# Altium PCB uTCA_MCH_PCB3.pcbdoc (part 15 of 25) (continued)
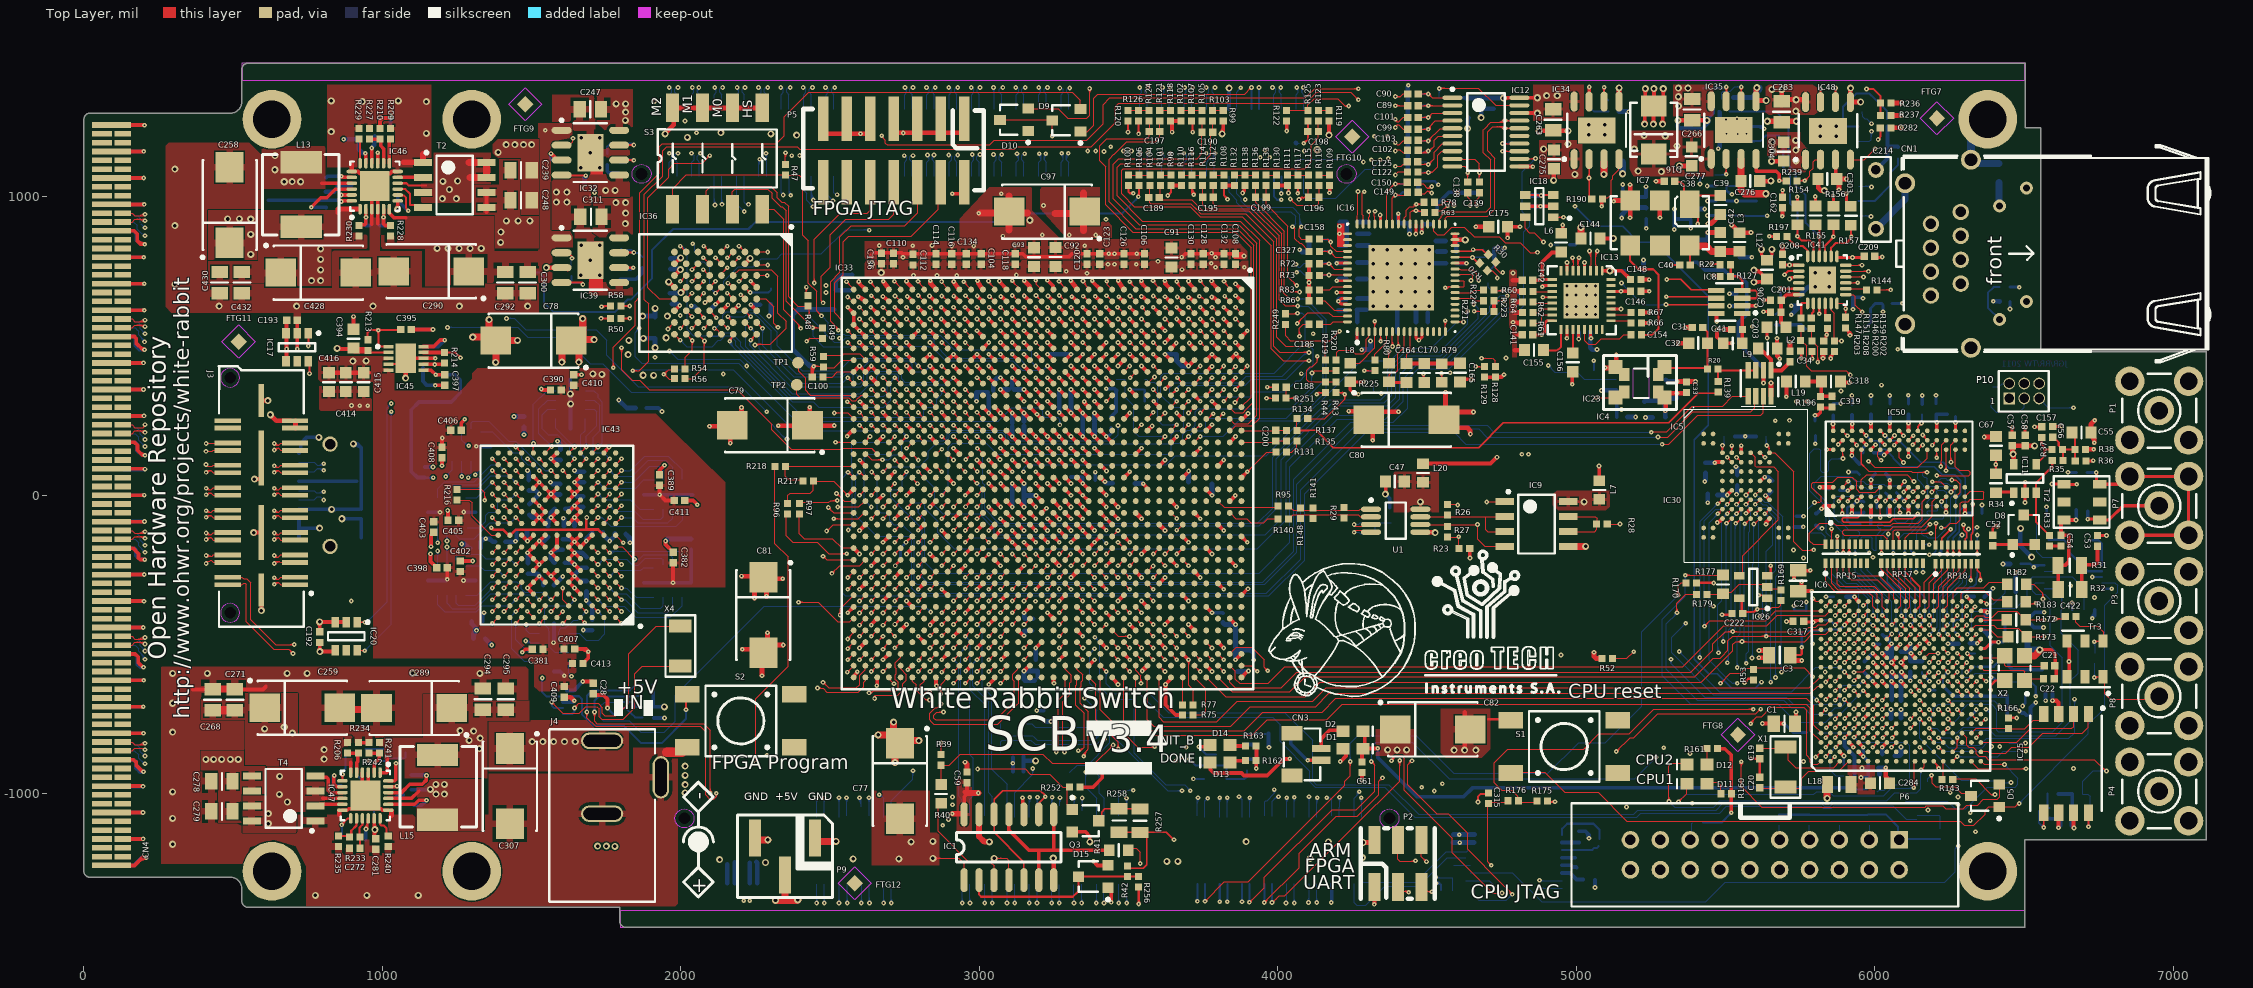
[diagram p0: Top Layer view]
## Nets (pads, with @x,y where several pads share a name; then routed paths per layer and width w, separated by ;. In a path a pad name is that pad's centre, name@x,y a point inside that pad or via, vN(x,y) a via of type N, cw(c..) or ccw(c..) an arc to the next point about the centre after c; other vN are vias at no path point) (continued)
  Bottom Layer w3.94: v1@6146.14,-753.64 cw(c6136.06,-763.72) 6150.31,-763.72 cw(c6164.57,-763.72) v1@6154.49,-753.64 ; v1(6150.31,-749.46) 6150.31,-814.43 6290.08,-954.19 R142.1@6315.67,-954.19
NetIC6_P1: IC6.P1 R143.1 | length 56.7
  Top Layer w3.94: R143.1@6229.06,-947.85 IC6.P1@6229.06,-891.2
NetIC6_R5: IC6.R5 IC31.11 | length 2597.1
  Top Layer w3.94: v1@6244.8,-755.37 cw(c6244.8,-769.63) 6254.88,-759.55 cw(c6264.97,-749.46) v1@6250.71,-749.46 ; v1(6244.8,-749.46) IC6.R5@6260.55,-765.21
  MidLayer1 w3.94: v1@6244.8,-755.37 cw(c6244.8,-774.38) 6258.25,-760.94 ; v1@6244.8,-751.43 cw(c6244.8,-760.94) 6251.52,-754.22 ; v1@6250.71,-753.4 6274.33,-777.02 6382.6,-777.02 6418,-812.43 v1(6418,-842) ; v1@6250.71,-749.46 ccw(c6260.21,-749.46) 6253.49,-756.19 ; v1@6413.82,-837.82 ccw(c6403.74,-827.74) 6418,-827.74 ccw(c6432.26,-827.74) v1@6422.18,-837.82
  MidLayer4 w3.94: v1(6279,-1175) 6300.08,-1153.92 6345.08,-1153.92 6388,-1111 6388,-933 6418.03,-902.97 v1(6418,-842) ; v1@6279,-1169.09 ccw(c6279,-1154.84) 6289.08,-1164.92 ccw(c6299.16,-1175) v1@6284.91,-1175 ; v1@6413.82,-846.18 cw(c6403.67,-856.33) 6418.03,-856.33 ; 6418.03,-856.18 cw(c6432.18,-856.18) v1@6422.18,-846.18
  Bottom Layer w3.94: IC31.11@4645.11,-1265.39 4786.76,-1265.39 ; 4787.62,-1266.27 4883.55,-1362.2 5433.07,-1362.2 ; 5433.36,-1361.88 5498.68,-1296.56 6234.44,-1296.56 6269,-1262 6269,-1185 ; v1@6273.09,-1175.03 cw(c6259.12,-1175.11) 6269,-1185 ; v1@6278.97,-1180.91 ccw(c6278.89,-1194.88) 6269,-1185 ; v1(6279,-1175) 6269,-1185
NetIC6_R18: IC6.R18 R182.1 | length 227.4
  Top Layer w3.94: IC6.R18@6262.52,-353.8 6262.52,-324.27 6276.79,-310 6364,-310 6383,-291 6436.94,-291 R182.1@6443.78,-297.83
NetIC6_T11: IC6.T11 R3.1 R5.2 | length 346.4
  Top Layer w3.94: IC6.T11@6292.05,-576.24 v1(6307.78,-560.49) ; 6297.69,-570.59 ccw(c6287.59,-560.49) v1@6301.88,-560.49 ; 6297.73,-570.56 cw(c6307.78,-580.62) v1@6307.78,-566.39
  Bottom Layer w3.94: 6296.3,-573.95 ccw(c6282.83,-560.49) v1@6301.88,-560.49 ; 6301.09,-569.17 cw(c6307.78,-575.86) v1@6307.78,-566.39 ; 6303.02,-567.23 ccw(c6296.28,-560.49) v1@6305.81,-560.49 ; v1@6307.8,-562.46 6292.54,-577.71 6292.54,-601.54 6300,-609 6324,-609 6336.78,-596.22 6438.22,-596.22 6448.07,-606.07 R3.1@6448.07,-625.47 6448.86,-624.68 R5.2@6486.85,-624.68
NetIC6_T18: IC6.T18 R183.1 | length 195.7
  Top Layer w3.94: IC6.T18@6290.08,-353.79 6290.08,-330.17 6299.92,-320.33 6367.11,-320.33 6397,-350.22 6436.68,-350.22 R183.1@6443.03,-356.57
NetIC6_V4: IC6.V4 R184.1 R193.2 | length 2531.4
  Top Layer w3.94: v1(6339.29,-812.46) IC6.V4@6355.04,-796.71 ; v1@6339.29,-806.55 ccw(c6339.29,-792.29) 6349.37,-802.38 ccw(c6359.45,-812.46) v1@6345.2,-812.46
  MidLayer1 w3.94: v1@4529.92,-1282.01 4532.38,-1279.55 4747.03,-1279.55 4820.62,-1353.14 6093.12,-1353.14 6169,-1277.26 6206.59,-1277.26 6337,-1146.85 v1@6337,-1126.5 ; v1@4532.93,-1283.69 cw(c4542.91,-1293.67) 4542.91,-1279.55 ; v1@4532.93,-1275.33 ccw(c4543.1,-1265.16) 4543.1,-1279.55 ; v1@6333.3,-1131.82 cw(c6324.38,-1140.74) 6337,-1140.74 ; 6337,-1143.06 cw(c6352.9,-1143.06) v1@6341.66,-1131.82
  MidLayer4 w3.94: v1@6333.3,-1123.46 ccw(c6324.03,-1114.19) 6337.15,-1114.19 ; v1@6335.12,-816.63 cw(c6330.21,-821.53) 6337.15,-821.53 ; v1@6337.15,-1126.5 v1@6337.15,-814.25 ; 6337.15,-1112.58 ccw(c6352.54,-1112.58) v1@6341.66,-1123.46 ; 6337.15,-831.89 cw(c6358.73,-831.89) v1@6343.47,-816.63 ; 6337.15,-822.39 cw(c6349.22,-822.39) v1@6340.68,-813.85
  Bottom Layer w3.94: v1@4528.8,-1281.14 4586.06,-1281.14 R184.1@4586.06,-1324.44 ; v1@4530.14,-1278.12 ccw(c4537.43,-1270.83) 4537.43,-1281.14 ; v1@4532.93,-1283.69 cw(c4539.08,-1289.84) 4539.08,-1281.14 ; v1@4532.93,-1275.33 ccw(c4546.93,-1261.33) 4546.93,-1281.14
  other v1: 4528.75,-1279.51 6337.48,-1127.64
NetIC6_V15: IC6.V15 R173.1 | length 100.6
  Top Layer w3.94: IC6.V15@6355.04,-450.25 6387.25,-450.25 6410.74,-473.74 R173.1@6445.91,-473.74
NetIC6_V16: IC6.V16 R172.1 | length 87.6
  Top Layer w4.92: IC6.V16@6355.04,-418.76 6440.3,-418.76 R172.1@6441.97,-417.09
NetIC8_3: IC8.3 IC8.4 R22.1 R127.2 | length 237.1
  Top Layer w3.94: R127.2@5516.93,733.54 R127.2@5517.09,733.7
  Top Layer w7: R127.2@5516.93,733.54 5541.46,733.54 5555.67,719.33 IC8.4@5555.67,685.67 5600.33,685.67 5606,680 5606,665 5601.08,660.08 IC8.3@5555.67,660.08 ; R127.2@5517.09,733.7 R22.1@5517.09,772.24
NetIC9_1: IC9.1 IC9.4 R27.1 U1.6 | length 480.9
  Top Layer w3.94: U1.6@4477.4,-98.09 4668.53,-98.09 v1(4668.88,-97.74) 4668.88,-147.58 4692.65,-171.35 IC9.4@4749.39,-171.35 ; v1(4699.94,-22.59) 4700.93,-21.6 IC9.1@4760.24,-21.6
  MidLayer1 w3.94: v1@4668.89,-98.12 4668.89,-53.64 v1(4699.94,-22.59)
NetIC9_2: IC9.2 IC9.3 R26.1 U1.7 | length 376
  Top Layer w3.94: U1.7@4477.4,-72.49 4696.55,-72.49 4743.2,-72.49 IC9.2@4744.79,-70.9 ; 4697.25,-73.19 4697.25,-115.76 4703.09,-121.6 IC9.3@4760.24,-121.6
NetIC9_6: IC9.6 IC9.7 R28.1 | length 219.3
  Top Layer w3.94: IC9.6@4972.84,-121.6 5060.95,-121.6 5068,-114.55 R28.1@5068,-103.16 ; IC9.7@4972.84,-71.6 5063.17,-71.6 5069.41,-77.84 R28.1@5069.41,-88.5
NetIC11_1: IC11.1 R34.1 | length 61.1
  Top Layer w10: R34.1@6405.35,10.71 6463.74,10.71 IC11.1@6465.63,8.82
NetIC13_11: IC13.11 R60.1 | length 58.1
  Top Layer w3.94: R60.1@4854.82,682.58 IC13.11@4912.89,682.58
NetIC13_13: IC13.13 R64.1 | length 55.1
  Top Layer w3.94: R64.1@4858.27,643.7 IC13.13@4913.39,643.7
NetIC13_14: IC13.14 R62.1 | length 62
  Top Layer w3.94: R62.1@4854.33,612.2 4872.05,612.21 4883.86,624.02 IC13.14@4911.42,624.02
NetIC13_15: IC13.15 R61.1 | length 85.6
  Top Layer w3.94: R61.1@4854.33,576.77 4875.98,576.77 4883.86,584.65 4883.86,600.39 4887.8,604.33 IC13.15@4919.29,604.33
NetIC13_25: IC13.25 R66.1 | length 61
  Top Layer w3.94: IC13.25@5116.14,584.65 R66.1@5177.17,584.65
NetIC13_26: IC13.26 R67.1 | length 59.1
  Top Layer w3.94: IC13.26@5116.14,604.33 R67.1@5175.2,604.33
NetIC16_3: IC16.3 R220.1 | length 204.7
  Top Layer w3.94: R220.1@4196.85,452.76 4196.85,478.35 4203.75,485.25 4247.75,485.25 4259.1,473.9 4286.3,473.9 4296.81,484.41 4296.81,522.32 4305.12,530.63 IC16.3@4305.12,548.23
NetIC16_6: IC16.6 R225.1 | length 111.8
  Top Layer w3.94: R225.1@4324.8,452.76 4324.8,472.44 4364.17,511.81 IC16.6@4364.17,548.23
NetIC16_21: IC16.21 R223.1 | length 98.7
  Top Layer w3.94: IC16.21@4593.5,659.45 4655.04,659.45 4662.91,651.57 R223.1@4688.98,651.57
NetIC16_22: IC16.22 R224.1 | length 98.7
  Top Layer w3.94: IC16.22@4593.5,679.13 4649.61,679.13 4657.48,687.01 R224.1@4688.98,687.01
NetIC16_28: IC16.28 R70.1 R94.2 | length 132.1
  Top Layer w4.92: IC16.28@4593.5,797.24 4651.16,797.24 v1(4651.76,796.64) 4672.55,775.85 R70.1@4674.66,775.85
  Bottom Layer w4.92: v1(4651.76,796.64) 4693.32,796.64 R94.2@4693.7,796.26
NetIC16_29: IC16.29 R30.1 R69.2 | length 153.7
  Top Layer w4.92: IC16.29@4593.5,816.93 4648.17,816.93 v1(4654.1,822.86) 4685.34,822.86 R30.1@4702.47,805.73
  Bottom Layer w4.92: v1(4654.1,822.86) 4688.51,822.86 R69.2@4689.05,823.4
NetIC16_39: IC16.39 R63.1 R76.2 | length 218.4
  Top Layer w3.94: IC16.39@4442.91,908.46 4444.13,906.66 4443.88,906.91 4443.88,948.02 4449.36,953.5 ; v1@4458.6,949.48 ccw(c4449.36,940.89) 4449.36,953.5 ; v1@4458.6,957.52 cw(c4449.36,966.11) 4449.36,953.5 ; v1@4464.31,954.89 ccw(c4470.91,961.49) 4470.91,952.16 ; v1@4467.1,949.32 cw(c4473.94,942.48) 4473.94,952.16 ; v1@4467.1,957.68 ccw(c4480.41,970.99) R63.1@4480.41,952.16 ; R63.1@4488.6,952.16 4464.26,952.16 v1(4462.92,953.5) 4449.36,953.5
  Bottom Layer w3.94: v1(4462.92,953.5) 4467.16,949.26 R76.2@4500.28,949.26 ; v1@4464.31,954.89 ccw(c4477.91,968.49) 4477.91,949.26 ; v1@4467.1,957.68 ccw(c4487.41,977.99) 4487.41,949.26
NetIC16_40: IC16.40 R78.1 R255.2 | length 211.7
  Top Layer w3.94: IC16.40@4424.83,912.17 4423.58,913.42 4423.58,929.72 4429.85,935.99 4429.85,954.03 4441.63,965.81 4454.55,965.81 ; v1@4457.69,974.36 cw(c4446.88,973.49) 4454.55,965.81 ; v1@4463.1,968.95 ccw(c4462.23,958.14) 4454.55,965.81 ; v1@4467.81,970.72 cw(c4477.59,961.18) 4477.59,974.84 ; v1@4467.81,978.96 ccw(c4477.59,988.5) 4477.59,974.84 ; R78.1@4486.6,983.85 4477.59,974.84 ; 4454.55,965.81 v1(4463.58,974.84) 4477.59,974.84
  Bottom Layer w3.94: v1(4463.58,974.84) 4496.04,974.84 R255.2@4497.59,976.39 ; v1@4467.76,970.66 cw(c4477.84,960.58) 4477.84,974.84 cw(c4477.84,989.1) v1@4467.76,979.02
NetIC16_58: IC16.58 R83.2 | length 95.6
  Top Layer w3.94: R83.2@4141.73,688.98 4173.23,688.98 4183.07,698.82 IC16.58@4233.27,698.82
NetIC16_62: IC16.62 R86.2 | length 106.6
  Top Layer w3.94: R86.2@4139.76,651.57 4157.48,651.57 4188.98,620.08 IC16.62@4233.27,620.08
NetIC21_5: IC21.5 IC22.3 | length 504.9
  Bottom Layer w3.94: IC21.5@3145.67,-765.75 3175.75,-765.75 3187,-777 3405.62,-777 3437.17,-808.54 3437.17,-828.35 3434.22,-831.29 3434.22,-832 3362.44,-903.78 3327.72,-903.78 IC22.3@3303.15,-928.35
NetIC25_5: IC25.5 R164.2 R165.1 | length 237.5
  Top Layer w6: v1@6561.98,-1109.49 ccw(c6553.28,-1100.79) 6565.59,-1100.79 ; v1@6563.29,-1114.01 6565.59,-1111.71 IC25.5@6565.59,-1063.5 ; 6565.59,-1101.56 ccw(c6576.81,-1101.56) v1@6568.88,-1109.49
  Bottom Layer w6: 6556.39,-1104.32 ccw(c6565.43,-1095.29) v1@6565.43,-1108.07 ; 6557.41,-1105.34 cw(c6549.8,-1112.94) v1@6560.56,-1112.94 ; v1@6564.26,-1112.19 6549.16,-1097.09 6549.16,-1058.65 6560.47,-1047.34 R165.1@6579.59,-1047.34 ; R164.2@6578.75,-999.5 6578.75,-1046.5 R165.1@6579.59,-1047.34 ; R165.1@6585.56,-1047.34 R165.1@6579.59,-1047.34
  other v1: 6565.43,-1112.94
NetIC25_8: IC25.8 R250.1 | length 122.6
  Top Layer w6: v1@6712.14,-1107.23 ccw(c6703.82,-1098.91) 6715.59,-1098.91 ccw(c6727.36,-1098.91) v1@6719.04,-1107.23 ; IC25.8@6715.59,-1063.5 v1(6715.59,-1110.68) v1@6717.55,-1112.64
  Bottom Layer w6: v1@6712.14,-1107.23 ccw(c6704.11,-1099.2) 6715.47,-1099.2 ; 6715.47,-1098.62 ccw(c6727.65,-1098.62) v1@6719.04,-1107.23 ; R250.1@6715.47,-1078.46 6715.47,-1112.1 v1@6716.93,-1113.56
NetIC26_4: IC26.4 IC30.C6 | length 525.2
  Top Layer w3.94: IC26.4@5556.69,-259.92 5556.69,-202.28 5676.79,-82.18 5676.79,79.03 5660.59,95.23 5601.89,95.23 5599.79,97.33 5599.79,126.71 IC30.C6@5583.88,142.62
NetIC30_C3: IC30.C3 R167.1 | length 89.3
  Top Layer w3.94: v1@5485.33,162.89 cw(c5475.53,153.1) 5489.39,153.1 ; IC30.C3@5489.39,142.62 v1@5489.39,166.95 ; 5489.39,152.53 cw(c5504.05,152.53) v1@5493.68,162.89
  Bottom Layer w3.94: v1@5490,172.95 ccw(c5490.66,180.75) 5496.2,175.22 ; v1@5490.96,169.98 5496.2,175.22 ; v1@5494.99,169.27 cw(c5500.09,171.33) 5496.2,175.22 ; R167.1@5496.2,197.15 5496.2,175.22
  other v1: 5489.51,167.07
NetIC31_12: IC31.12 R193.1 | length 55.1
  Bottom Layer w3.94: 4589.99,-1239.8 IC31.12@4645.11,-1239.8
NetIC32_7: IC32.7 R178.2 R180.1 | length 177.6
  Top Layer w6.89: IC32.7@1803.15,1173.23 v1(1842.52,1173.23) ; v1@1839.39,1170.1 ccw(c1831.83,1162.54) 1831.83,1173.23 ccw(c1831.83,1183.92) v1@1839.39,1176.36
  Bottom Layer w6.89: R178.2@1753.26,1143.09 1753.26,1167.86 1764.53,1179.13 ; 1764.77,1179.37 1764.53,1179.13 ; v1(1842.52,1173.23) 1836.61,1179.13 1764.53,1179.13
NetIC33_AA24: IC33.AA24 IC36.F8 R56.1 | length 2210.8
  Top Layer w3.94: R56.1@2013.62,390.79 2038.11,390.79 2078.03,430.71 v1@2078.03,517.36 ; IC36.F8@2057.09,539.37 2079.37,517.09 v1(2079.37,516.73) ; 2069.04,527.42 cw(c2058.35,516.73) v1@2073.46,516.73 ; 2069.89,526.56 ccw(c2079.37,536.04) v1@2079.37,522.64 ; v1@2075.19,512.56 cw(c2068.34,505.71) 2078.03,505.71 ; 2078.03,499.24 cw(c2096.86,499.24) v1@2083.55,512.56 ; 2078.03,508.75 cw(c2087.35,508.75) v1@2080.76,515.34 ; v1@3070.87,-202.76 cw(c3070.87,-217.01) 3080.95,-206.93 cw(c3091.03,-196.85) v1@3076.77,-196.85 ; v1(3070.87,-196.85) IC33.AA24@3090.55,-216.54
  MidLayer1 w3.94: v1@2079.37,517.6 2097.13,535.35 2097.13,602.52 2121.44,626.84 ; v1@2079.37,522.64 ccw(c2079.37,534.8) 2087.97,526.2 ; v1@2085.28,516.73 cw(c2101.62,516.73) 2090.06,528.29 ; 2121.44,626.97 2128.94,634.46 ; 2129.07,634.46 2148.35,653.74 2460.79,653.74 v1@2485.55,678.5 ; 2476.07,669.03 cw(c2486.22,658.88) v1@2486.22,673.23 ; 2476.16,669.11 ccw(c2466.14,679.13) v1@2480.31,679.13
  MidLayer4 w3.94: v1@2483.43,673.93 cw(c2480.24,667.97) 2487,667.97 cw(c2495.81,667.97) v1@2490.06,674.65 ; v1@2487,679.13 2487,668 2541.98,613.01 2830.28,613.01 2926.18,517.11 2926.18,502.47 2976.09,452.56 2992.44,452.56 ; 2992.44,452.6 3004.92,440.12 3004.92,381.61 3087.32,299.21 3087.32,-180.39 v1(3070.87,-196.85) ; v1@3070.87,-190.94 ccw(c3070.87,-176.69) 3080.95,-186.77 ccw(c3091.03,-196.85) v1@3076.77,-196.85 ; 3083.07,-184.65 3086.61,-181.1
  other v1: 2486.22,679.13
NetIC33_AE23: IC33.AE23 IC36.F7 | length 1937.7
  Top Layer w3.94: v1@2036.46,565.79 ccw(c2036.46,584.32) IC36.F7@2049.56,571.22 ; v1@2039.37,561.02 IC36.F7@2057.09,578.74 ; v1@2042.36,559.88 cw(c2052.34,559.88) 2045.29,566.94 ; v1(2913.39,-196.85) IC33.AE23@2933.07,-177.17 ; v1@2913.39,-190.94 ccw(c2913.39,-176.69) 2923.47,-186.77 ccw(c2933.55,-196.85) v1@2919.29,-196.85
  MidLayer4 w3.94: v1@2035.91,561.73 2051.34,577.17 2551.17,577.17 2571.85,556.48 2571.85,543.5 2581.1,534.25 2770.08,534.25 2807.09,497.24 2860.24,497.24 2902.36,455.12 2922.05,455.12 2938.19,438.98 2938.19,427.36 3055.93,309.63 3055.93,-162.07 3042.8,-175.2 2933.07,-175.2 v1@2913.39,-194.88 ; v1@2036.46,565.79 ccw(c2036.46,574.25) 2042.44,568.27 ; v1@2038.43,559.88 cw(c2048.98,559.88) 2041.52,567.34 ; v1@2042.36,559.88 cw(c2062.42,559.88) 2048.24,574.06 ; v1@2913.39,-190.94 ccw(c2913.39,-181.44) 2920.11,-188.16 ; v1@2915.35,-196.85 cw(c2924.86,-196.85) 2918.14,-190.13 ; v1@2919.29,-196.85 cw(c2938.3,-196.85) 2924.86,-183.41
  other v1: 2036.46,559.88
NetIC33_AF23: IC33.AF23 IC36.G8 R54.1 | length 2052.2
  Top Layer w3.94: R54.1@2014.76,423.98 2014.76,462.36 2038.46,486.06 v1(2038.46,518.46) ; IC36.G8@2017.72,539.37 v1@2038.46,518.62 ; 2028.27,528.81 cw(c2017.92,518.46) v1@2032.56,518.46 ; 2028.65,528.44 ccw(c2038.46,538.25) v1@2038.46,524.37 ; v1@2034.29,514.29 cw(c2024.21,504.21) 2038.46,504.21 cw(c2052.72,504.21) v1@2042.64,514.29 ; v1(2874.02,-196.85) IC33.AF23@2893.7,-177.17 ; v1@2874.02,-190.94 ccw(c2874.02,-176.69) 2884.1,-186.77 ccw(c2894.18,-196.85) v1@2879.92,-196.85
  MidLayer4 w3.94: v1@2038.46,524.37 ccw(c2038.46,538.63) 2048.55,528.55 ccw(c2058.63,518.46) v1@2044.37,518.46 ; v1@2040.2,520.2 2059.53,539.53 2442.09,539.53 2459.65,557.09 2511.75,557.09 2521.77,567.11 2533.07,567.11 2546.26,553.91 2546.26,545.88 2565.76,526.38 2759.43,526.38 2796.64,489.17 2856.89,489.17 2898.43,447.64 2916.91,447.64 2926.38,438.17 2926.38,409.84 2958.27,377.95 ; v1(2874.02,-196.85) 2927.37,-143.49 3025.51,-143.49 3045.28,-123.72 3045.28,291.34 2976.06,360.55 2956.87,379.74 ; v1@2874.02,-190.94 ccw(c2874.02,-176.69) 2884.1,-186.77 ccw(c2894.18,-196.85) v1@2879.92,-196.85
NetIC33_AH20: IC33.AH20 R96.1 | length 732.1
  Top Layer w3.94: R96.1@2352.36,-59.05 2352.36,-135.24 2374.33,-157.2 2456.14,-157.2 2494.94,-196 2552.93,-196 v1@2556.42,-199.49 ; v1@2551.82,-200.18 ccw(c2541.74,-210.26) 2541.74,-196 ccw(c2541.74,-181.74) v1@2551.82,-191.82 ; v1(2795.28,-78.74) IC33.AH20@2814.96,-59.06 ; v1@2795.28,-72.83 ccw(c2795.28,-58.58) 2805.36,-68.66 ccw(c2815.44,-78.74) v1@2801.18,-78.74
  MidLayer4 w3.94: v1@2556,-190.09 ccw(c2556,-178.25) 2564.37,-186.63 ; v1@2557.09,-198.82 2557.09,-193.91 2568.1,-182.9 2587.97,-182.9 2638.97,-131.89 2753.94,-131.89 2761.81,-124.02 ; v1@2561.91,-196 cw(c2578.58,-196) 2566.79,-184.21 ; 2754.92,-130.91 2777.56,-108.27 2777.56,-96.06 v1@2795.28,-78.35 ; 2784.52,-89.1 cw(c2795.28,-99.85) v1@2795.28,-84.65 ; 2785.47,-88.15 ccw(c2776.06,-78.74) v1@2789.37,-78.74
  other v1: 2556,-196
NetIC33_AJ20: IC33.AJ20 R97.1 | length 480
  Top Layer w3.94: R97.1@2398.62,-23.62 2496.06,-23.62 2501.97,-17.72 v1(2523.62,-17.72) ; v1@2519.45,-21.89 ccw(c2509.36,-31.97) 2509.36,-17.72 ccw(c2509.36,-3.46) v1@2519.45,-13.54 ; v1(2755.91,-78.74) IC33.AJ20@2775.59,-59.06 ; v1@2755.91,-72.83 ccw(c2755.91,-58.58) 2765.99,-68.66 ccw(c2776.07,-78.74) v1@2761.81,-78.74
  MidLayer2 w3.94: v1(2523.62,-17.72) 2531.5,-25.59 2682.87,-25.59 2720.27,-62.99 2740.15,-62.99 v1(2755.91,-78.74) ; 2745.82,-68.66 ccw(c2755.91,-58.56) v1@2755.91,-72.83 ; 2745.83,-68.67 cw(c2735.76,-78.74) v1@2750,-78.74
NetIC33_AL34: IC33.AL34 Q3.1 R252.1 | length 890
  Top Layer w3.94: IC33.AL34@2696.85,-610.24 2696.85,-614.74 v1(2713.68,-631.57) ; v1(2994.09,-917.03) 3153.64,-917.03 3170.59,-933.98 3235.13,-933.98 3278.83,-977.68 R252.1@3295.17,-977.68 ; R252.1@3295.17,-975.93 R252.1@3295.17,-977.68 ; R252.1@3301.28,-977.68 R252.1@3295.17,-977.68 ; Q3.1@3311.29,-1053.29 3295.17,-1037.17 R252.1@3295.17,-977.68
  MidLayer4 w3.94: v1@2714.6,-633.19 2714.6,-672.79 2829.83,-788.02 2907.85,-788.02 2994.09,-874.26 v1(2994.09,-917.03)
NetIC33_AN7: IC33.AN7 R59.2 | length 143.5
  Top Layer w3.94: R59.2@2484.25,469 2541.72,469 2546.17,473.45 2599.38,473.45 2603.84,469 IC33.AN7@2618.11,454.72
NetIC33_AP16: IC33.AP16 R217.2 R218.2 | length 311.4
  Top Layer w3.94: R218.2@2350.39,96.46 2350.39,63.98 2362.2,52.17 R217.2@2399.61,52.17 ; R218.2@2350.79,96.85 IC33.AP16@2575.59,96.85
NetIC33_B20: IC33.B20 R140.1 | length 183.3
  Top Layer w3.94: IC33.B20@3838.58,-59.06 3839.92,-59.06 3859.13,-78.27 3894.99,-78.27 3908.69,-91.97 3953,-91.97 3966.7,-78.27 R140.1@4002.56,-78.27
NetIC33_C19: IC33.C19 R95.1 | length 210.9
  Top Layer w3.94: IC33.C19@3799.21,-19.68 3819.84,-40.31 3999.01,-40.31 R95.1@4000.79,-38.53
NetIC33_E34: IC33.E34 R75.1 | length 172.6
  Top Layer w3.94: R75.1@3718.5,-734.57 3746.81,-734.57 3757.76,-723.62 3757.76,-647.52 IC33.E34@3720.47,-610.24
NetIC33_F34: IC33.F34 R77.1 | length 88.8
  Top Layer w3.94: R77.1@3681.1,-699.02 IC33.F34@3681.1,-610.24
NetIC33_J25: IC33.J25 R39.2 R40.2 | length 1503.4
  Top Layer w3.94: R40.2@2871.97,-969.13 2871.97,-904.69 R39.2@2871.77,-904.49 2898.51,-904.49 2936,-867 3213,-867 3244,-898 3387,-898 v1(3448,-837) ; v1@3442.09,-837 cw(c3427.84,-837) 3437.92,-847.08 cw(c3448,-857.16) v1@3448,-842.91 ; IC33.J25@3562.99,-255.91 3563.09,-255.91 v1(3582,-237) ; v1@3576.09,-237 cw(c3561.84,-237) 3571.92,-247.08 cw(c3582,-257.16) v1@3582,-242.91
  MidLayer4 w3.94: v1(3448,-837) 3480,-805 3480,-461 3489,-452 3552,-452 3562,-442 3562,-257 v1(3582,-237) ; v1@3448,-831.09 ccw(c3448,-816.84) 3458.08,-826.92 ccw(c3468.16,-837) v1@3453.91,-837 ; v1@3576.09,-237 cw(c3561.84,-237) 3571.92,-247.08 cw(c3582,-257.16) v1@3582,-242.91
NetIC33_K13: IC33.K13 R251.2 | length 599.5
  Top Layer w3.94: IC33.K13@3523.62,216.54 v1(3543.31,236.22) ; v1@3537.4,236.22 cw(c3523.14,236.22) 3533.23,226.14 cw(c3543.31,216.06) v1@3543.31,230.31 ; v1@3961.93,325.37 v1(3961.98,325.32) R251.2@3992.25,325.32 ; v1@3966.16,321.14 cw(c3976.24,311.06) 3976.24,325.32 cw(c3976.24,339.58) v1@3966.16,329.5
  MidLayer3 w3.94: v1(3543.31,236.22) 3564.9,257.81 3845.09,257.81 3912.31,325.03 v1@3958.3,325.03 ; v1@3543.31,242.13 ccw(c3543.31,256.38) 3553.39,246.3 ccw(c3563.47,236.22) v1@3549.21,236.22 ; 3947.02,325.03 ccw(c3947.02,340.28) v1@3957.8,329.5 ; 3948.42,325.03 cw(c3948.42,311.76) v1@3957.8,321.14
NetIC33_Y24: IC33.Y24 IC36.B4 R57.1 | length 1926.1
  Top Layer w3.94: IC36.B4@2214.57,696.85 v1(2232.28,679.13) ; v1@2226.38,679.13 ccw(c2212.12,679.13) 2222.2,689.22 ccw(c2232.28,699.3) v1@2232.28,685.04 ; v1@3110.24,-202.76 cw(c3110.24,-217.01) 3120.32,-206.93 cw(c3130.4,-196.85) v1@3116.14,-196.85 ; v1(3110.24,-196.85) IC33.Y24@3129.92,-216.54
  MidLayer1 w3.94: v1@2233.23,678.66 2449.49,678.66 2473.58,702.76 ; v1@2236.46,674.96 cw(c2245.4,666.02) 2245.4,678.66 ; v1@2236.46,683.31 ccw(c2247.68,694.53) 2247.68,678.66 ; v1@2481.69,698.97 ccw(c2473.58,692.19) 2473.58,702.76 ; v1@2481.69,706.54 cw(c2473.58,713.32) 2473.58,702.76 ; v1(2486.22,702.76) 2473.58,702.76
  MidLayer4 w3.94: v1@2486.22,696.85 cw(c2486.22,682.59) 2496.3,692.67 cw(c2506.38,702.76) v1@2492.13,702.76 ; v1(2486.22,702.76) 2539.76,649.21 2833.45,649.21 2933.07,549.59 2933.07,508.84 2952.26,489.65 2994.25,489.65 3052.56,431.34 3052.56,353.74 3131.89,274.41 3131.89,-177.17 v1@3110.24,-198.82 ; v1@3110.24,-194.88 ccw(c3110.24,-185.38) 3116.96,-192.1 ; v1@3110.24,-190.94 ccw(c3110.24,-171.94) 3123.68,-185.38 ; v1@3116.14,-196.85 cw(c3125.65,-196.85) 3118.93,-190.13
  MidLayer4 w4.92: v1@2484.25,704.72 v1(2486.22,702.76)
  Bottom Layer w6.89: v1(2232.28,679.13) 2293.31,679.13 2301.18,687.01 R57.1@2301.18,692.91 ; v1@2235.42,676 cw(c2242.98,668.44) 2242.98,679.13 cw(c2242.98,689.83) v1@2235.42,682.27
NetIC34_7: IC34.7 R185.2 R188.2 | length 204.9
  Top Layer w12.6: IC34.7@5042.8,1318.83 v1@5042.8,1367.8
  Bottom Layer w6: v1@5039.55,1364.55 cw(c5030.49,1355.49) 5043.31,1355.49 ; v1(5043,1368) 5043.31,1367.69 R188.2@5043.31,1322.83 5043.31,1300.96 5058.8,1285.47 R185.2@5107.2,1285.47 ; 5043.31,1356.97 cw(c5054.03,1356.97) v1@5046.45,1364.55
NetIC35_7: IC35.7 R186.2 R189.2 | length 148.7
  Top Layer w6.89: v1@5499.2,1364.48 cw(c5491.64,1356.92) 5502.33,1356.92 cw(c5513.02,1356.92) v1@5505.46,1364.48 ; IC35.7@5502.33,1335.66 v1(5502.33,1367.61)
  Bottom Layer w6.89: R189.2@5423.99,1363.54 5495.51,1363.54 v1@5502,1370.03 ; 5481.82,1363.54 ccw(c5481.82,1388.12) v1@5499.2,1370.74
NetIC36_E6: IC36.E6 R58.1 | length 449.7
  Top Layer w3.94: IC36.E6@2096.46,618.11 v1@2114.17,600.39 ; 2107.77,606.8 cw(c2096.01,595.04) v1@2112.64,595.04 ; 2110.14,604.43 ccw(c2118.54,612.83) v1@2118.54,600.94
  Top Layer w6.89: R58.1@1799.21,633.86 v1(1828.74,633.86) ; v1@1825.61,630.73 ccw(c1818.05,623.16) 1818.05,633.86 ccw(c1818.05,644.55) v1@1825.61,636.99
  MidLayer4 w3.94: v1(1828.74,633.86) 1872.44,633.86 1898.21,608.09 1930.93,608.09 1944.88,622.05 2028.99,622.05 ; v1@1832.92,629.68 cw(c1843,619.6) 1843,633.86 cw(c1843,648.12) v1@1832.92,638.03 ; 2029.07,621.97 2039.67,621.97 ; 2039.75,622.05 2092.91,622.05 v1@2114.57,600.39 ; 2107.49,607.47 cw(c2095.05,595.04) v1@2112.64,595.04 ; 2110.81,604.15 ccw(c2118.54,611.88) v1@2118.54,600.94
  other v1: 2118.54,595.04
NetIC36_F6: IC36.F6 R50.2 | length 422
  Top Layer w3.94: IC36.F6@2057.09,618.11 v1@2074.8,600.39 ; IC36.F6@2063.91,611.29 cw(c2047.11,594.49) v1@2070.87,594.49 ; 2070.63,604.57 cw(c2060.55,594.49) v1@2074.8,594.49 ; 2073.41,601.79 ccw(c2076.77,605.15) v1@2076.77,600.39
  Top Layer w6.89: R50.2@1799.21,592.52 v1(1828.74,592.52) ; v1@1825.61,589.39 ccw(c1818.05,581.83) 1818.05,592.52 ccw(c1818.05,603.21) v1@1825.61,595.65
  MidLayer4 w3.94: v1@1828.74,586.61 cw(c1828.74,577.11) 1835.46,583.83 ; v1@1828.74,590.55 1836.79,582.5 ; v1@1834.46,591.04 ccw(c1843.11,588.81) 1836.79,582.5 ; 2023.44,604.15 2001.79,582.5 1836.79,582.5 ; 2023.44,604.21 2031.62,612.38 2062.81,612.38 v1@2074.8,600.39 ; 2063.91,611.29 cw(c2047.1,594.49) v1@2070.87,594.49 ; 2070.63,604.57 cw(c2060.55,594.49) v1@2074.8,594.49 ; 2073.41,601.79 ccw(c2076.77,605.15) v1@2076.77,600.39
  other v1: 2076.77,594.49
NetIC39_7: IC39.7 R204.2 R205.1 | length 118.6
  Top Layer w6.89: IC39.7@1805.12,812.99 v1(1842.52,812.99)
  Bottom Layer w6.89: R205.1@1800.29,824.19 1803.61,820.87 1834.65,820.87 v1(1842.52,812.99) ; v1@1842.22,812.12 1857.07,812.12 R204.2@1870.81,798.38
NetIC40_3: IC40.3 R174.2 | length 103.5
  Bottom Layer w12.6: R174.2@5667.8,570.87 5752.91,570.87 IC40.3@5765.94,557.83
NetIC41_7: IC41.7 R147.2 | length 70
  Top Layer w8: R147.2@5753.19,594.33 5753.19,641.19 5756,644 5773.25,644 IC41.7@5774.61,642.65
NetIC41_8: IC41.8 R151.2 | length 50.7
  Top Layer w6.89: R151.2@5789.02,594.09 5789.02,609.02 5794.29,614.29 IC41.8@5794.29,642.65
NetIC41_10: IC41.10 R146.2 | length 49.7
  Top Layer w7: IC41.10@5833.66,642.65 5833.66,600.75 R146.2@5839.21,595.2
NetIC41_14: IC41.14 R144.2 | length 69.1
  Top Layer w4: IC41.14@5902.56,691.86 5971.15,691.86 R144.2@5971.5,692.2
NetIC41_24: IC41.24 R197.1 | length 107
  Top Layer w7: R197.1@5705.28,863.72 5734,835 5759,835 5774.61,819.39 IC41.24@5774.61,800.13
NetIC43_H11: IC43.H11 R216.2 | length 208.8
  Top Layer w3.94: R216.2@1253.66,-15.94 1291.38,-15.94 1300.71,-25.28 1300.71,-69.41 1365.16,-133.86 IC43.H11@1387.8,-133.86
NetIC46_2: IC46.2 R230.1 R231.1 | length 114.4
  Top Layer w11.81: R230.1@919.29,905.51 938.58,905.51 944.88,911.81 v1(944.88,931.1) IC46.2@944.88,958.66
  Bottom Layer w12.6: v1(944.88,931.1) 944.88,903.54 R231.1@956.69,903.54
NetIC46_5: IC46.5 R228.2 R238.1 | length 114.4
  Top Layer w11.81: v1(1003.94,931.1) IC46.5@1003.94,958.66
  Top Layer w12.6: v1(1003.94,931.1) 1003.94,909.88 1010.28,903.54 R228.2@1027.56,903.54
  Bottom Layer w12.6: R238.1@992.13,903.54 1003.94,903.54 v1(1003.94,931.1)
NetIC46_9: IC46.9 T2.4 | length 103
  Top Layer w6.89: IC46.9@1051.18,1025.59 1076.77,1025.59 1092.52,1009.84 1092.52,972.44 T2.4@1110.24,972.44
NetIC46_11: IC46.11 T2.2 | length 84.1
  Top Layer w11.81: IC46.11@1051.34,1064.96 T2.2@1135.39,1064.96
NetIC46_13: IC46.13 R209.1 | length 76.8
  Top Layer w11.81: IC46.13@1023.62,1112.21 R209.1@1023.62,1188.98
NetIC46_14: IC46.14 R210.2 R227.2 | length 124.2
  Top Layer w11.81: R210.2@994.09,1196.85 994.09,1171.26 1003.94,1161.42 IC46.14@1003.94,1112.21
  Top Layer w12.6: R227.2@956.69,1192.91 R210.2@992.13,1192.91
NetIC46_18: IC46.18 R229.1 | length 73.8
  Top Layer w6.89: IC46.18@924.7,1112.7 R229.1@924.7,1186.52
NetIC46_20: IC46.20 T3.2 | length 104.8
  Top Layer w11.81: v1(862.2,1068.9) 866.14,1064.96 IC46.20@897.64,1064.96 ; v1@863.6,1070.29 ccw(c876.46,1083.15) 876.46,1064.96
  Bottom Layer w12.6: T3.2@811.02,1064.37 815,1068.35 860.79,1068.35 v1@862.2,1066.93
NetIC46_22: IC46.22 T3.4 | length 210.3
  Top Layer w11.81: v1@761.81,964.68 793.67,996.54 813.16,996.54 842.21,1025.59 IC46.22@897.64,1025.59
  Bottom Layer w12.6: v1(761.81,964.57) 807.09,964.57 T3.4@811.02,964.37
NetIC47_2: IC47.2 R241.1 R242.1 | length 103.8
  Top Layer w11.81: R242.1@958.66,-864.17 R241.1@990.16,-864.17 990.16,-881.89 972.44,-899.61 IC47.2@972.44,-929.13
NetIC47_5: IC47.5 R206.1 R234.1 | length 101.2
  Top Layer w11.81: R206.1@879.92,-864.17 R234.1@915.91,-864.17 ; IC47.5@913.39,-929.13 913.38,-896.68 917.32,-892.74 R234.1@917.32,-865.59
NetIC47_9: IC47.9 T4.4 | length 114.6
  Top Layer w11.81: T4.4@795.28,-944.88 813.07,-944.88 818.9,-950.71 818.9,-989.17 825.79,-996.06 IC47.9@866.14,-996.06
NetIC47_11: IC47.11 T4.2 | length 76.2
  Top Layer w12.6: T4.2@789.96,-1035.43 IC47.11@866.14,-1035.43
NetIC47_13: IC47.13 R232.1 | length 83.3
  Top Layer w6.89: v1@864.17,-1102.36 883.86,-1082.68 IC47.13@893.7,-1082.68 ; v1@868.6,-1104.33 cw(c884.05,-1104.33) 873.13,-1093.41
  Bottom Layer w6.89: R232.1@864.17,-1141.73 v1@864.17,-1108.27
  other v1: 864.17,-1104.33
NetIC47_14: IC47.14 R233.2 R235.2 | length 103.5
  Top Layer w6.89: R235.2@856.3,-1141.73 889.76,-1141.73 891.73,-1141.73 895.67,-1137.8 895.67,-1124.02 913.38,-1106.3 IC47.14@913.39,-1082.68
NetIC47_18: IC47.18 R240.1 | length 58.3
  Top Layer w6.89: IC47.18@992.52,-1090.83 992.52,-1102.52 996.3,-1106.3 1003.94,-1106.3 1013.78,-1116.14 R240.1@1013.78,-1135.83
NetIC47_20: IC47.20 T5.2 | length 181.5
  Top Layer w11.81: IC47.20@1019.68,-1035.43 1108.15,-1035.43 1121.93,-1021.65 v1(1147.64,-1021.65)
  Bottom Layer w12.6: T5.2@1106.3,-1037.4 1131.89,-1037.4 v1(1147.64,-1021.65)